# Altium PCB mchf_pro_ui.PcbDoc (part 4 of 5) (continued)
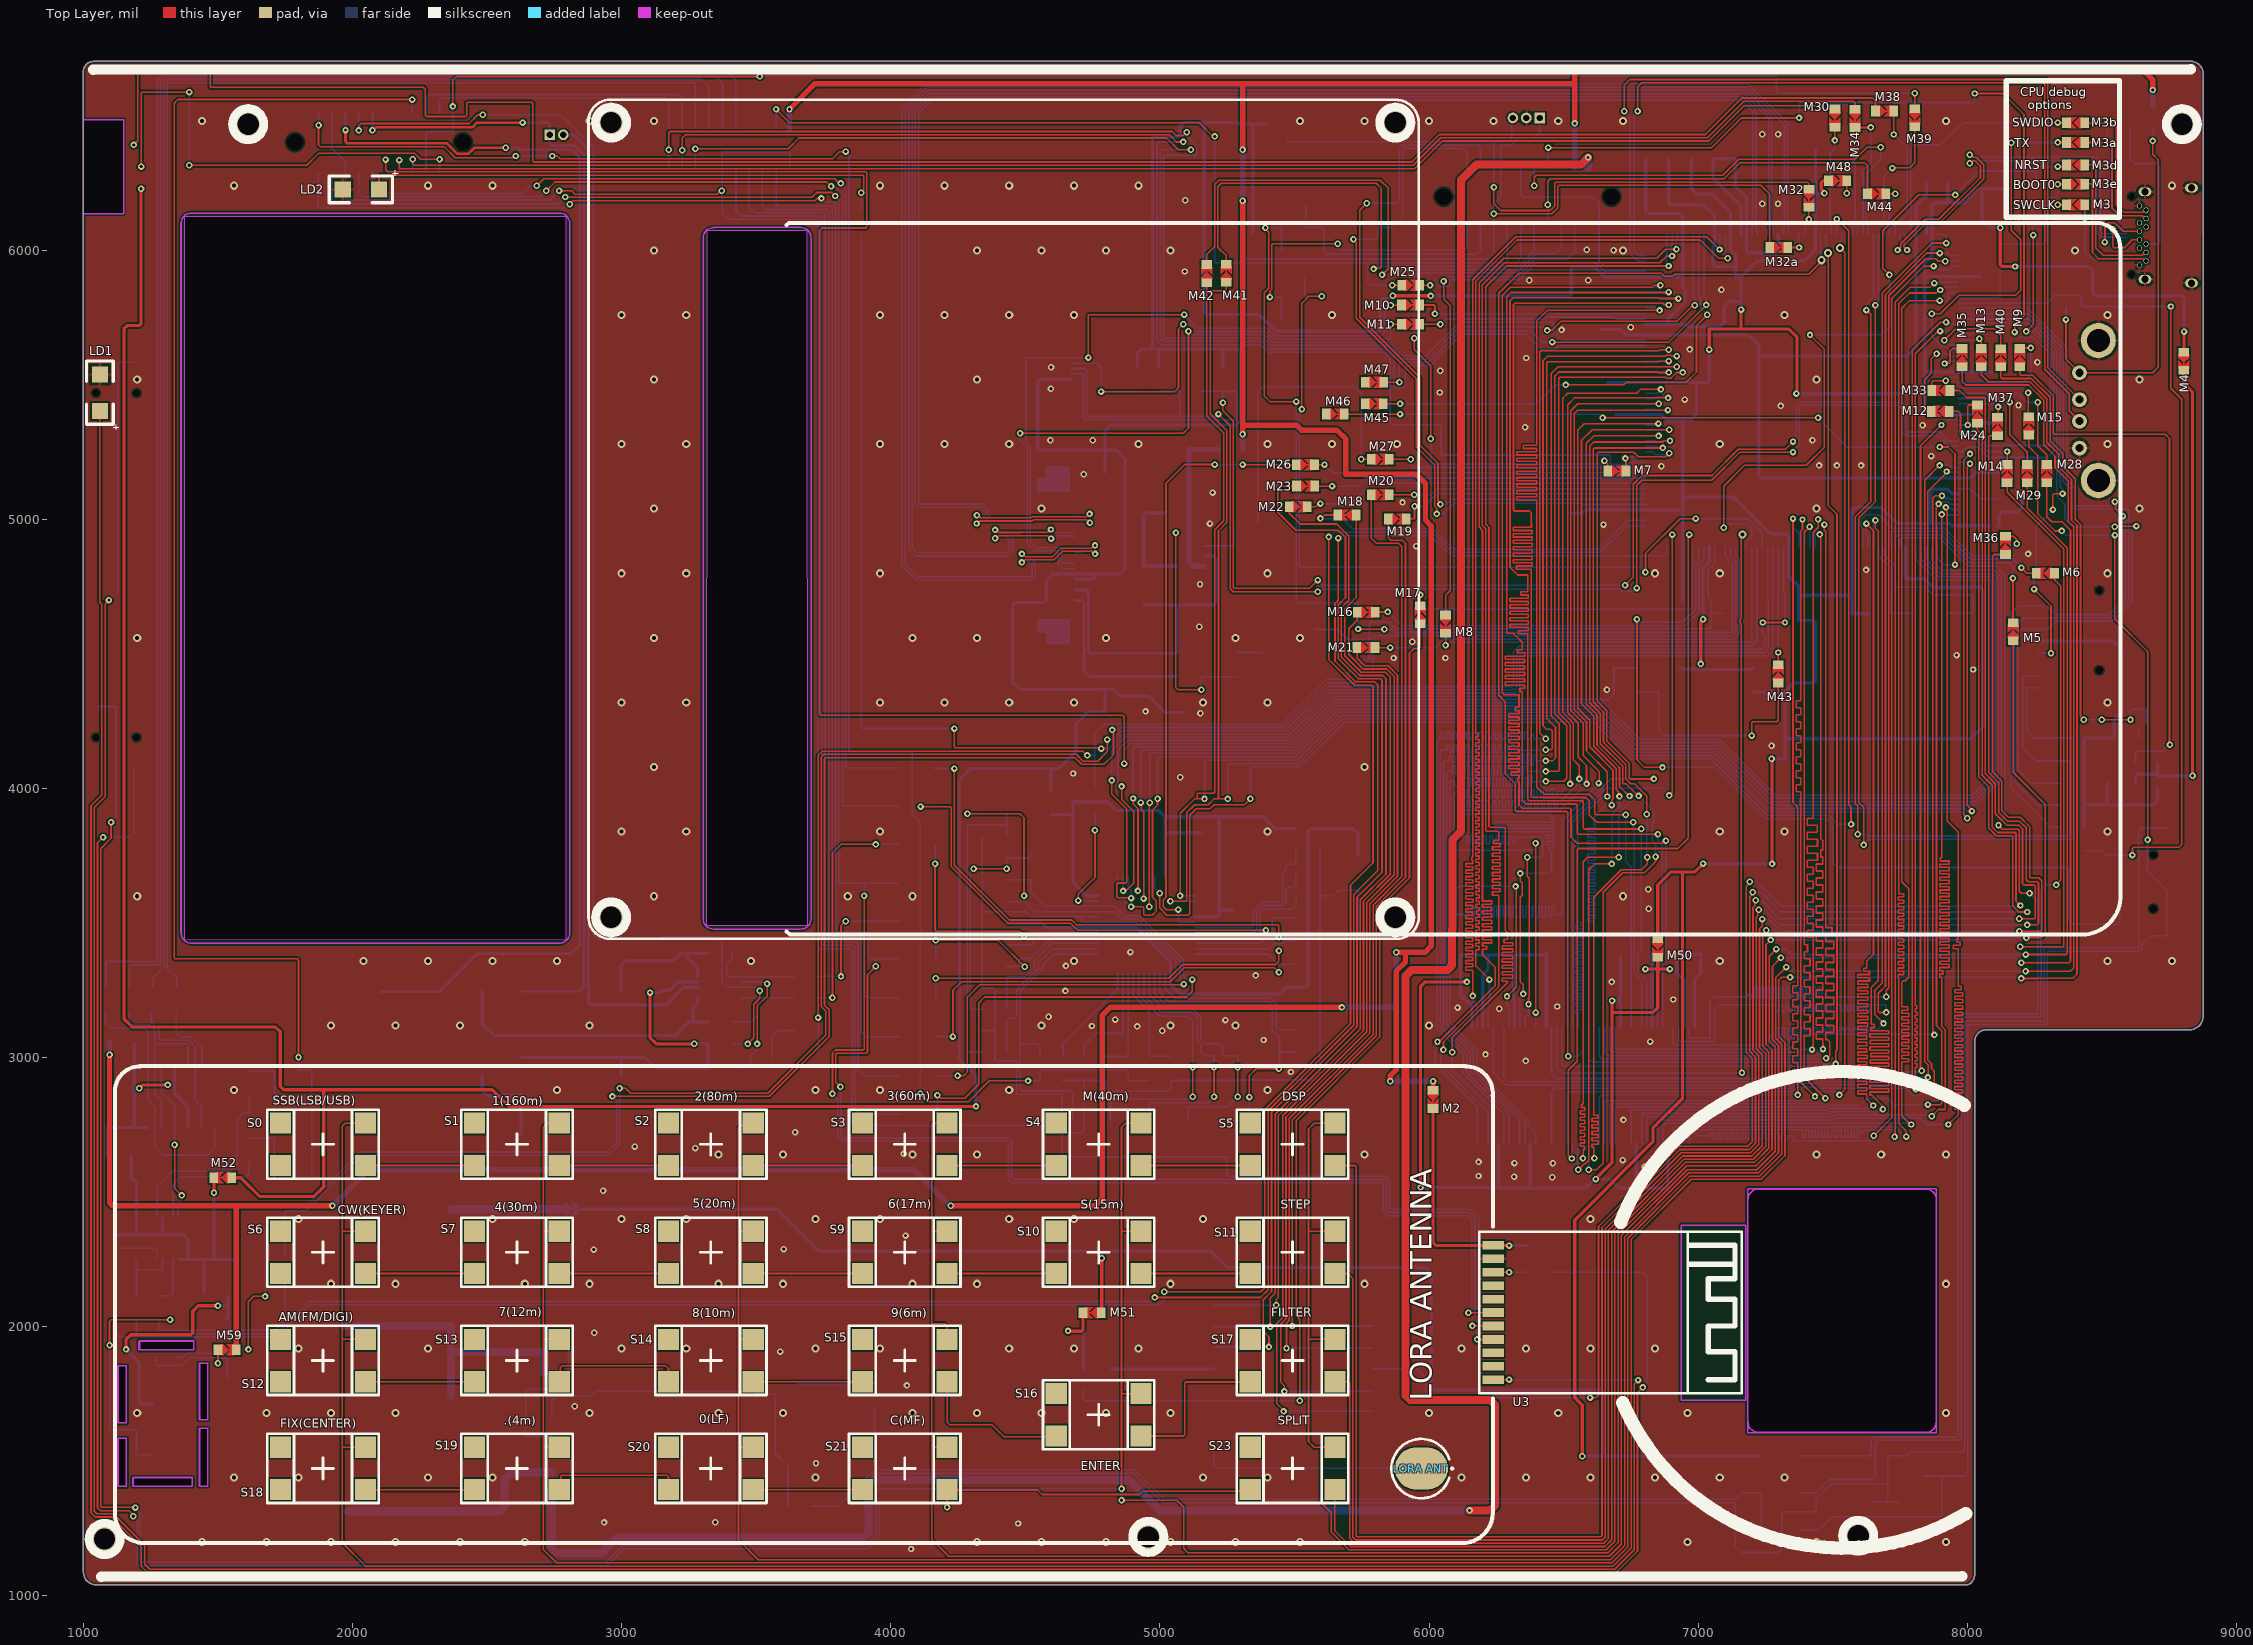
[diagram p0: Top Layer view]
## Nets (pads, with @x,y where several pads share a name; then routed paths per layer and width w, separated by ;. In a path a pad name is that pad's centre, name@x,y a point inside that pad or via, vN(x,y) a via of type N, cw(c..) or ccw(c..) an arc to the next point about the centre after c; other vN are vias at no path point) (continued)
NetC62_1: C62.1 M59.1 U14.1 | length 446.5
  Top Layer w6: v1(1499.98,1865.15) M59.1@1499.98,1915.07
  Bottom Layer w6: U14.1@1269.24,1885.57 1269.24,1860.02 1272.75,1856.51 1367.15,1856.51 1396.27,1885.62 1499.98,1885.62 ; v1(1499.98,1865.15) 1499.98,1885.81 1530.22,1885.81 1533.73,1882.3 C62.1@1533.73,1811.38
NetCC7_2: CC7.2 U1.7 | length 617
  Bottom Layer w6: U1.7@5131.57,3483.98 5342.74,3483.98 5346.26,3487.49 5346.26,3541.44 5382.19,3577.37 5451.37,3577.37 5456.4,3582.4 5456.4,3687.61 5467.34,3698.54 5467.34,3710.28 5476.45,3719.39 5497.1,3719.39 5504.87,3727.16 CC7.2@5504.87,3770.01
NetCC8_2: CC8.2 U1.8 | length 555.6
  Bottom Layer w6: U1.8@5131.57,3464.29 5346.26,3464.29 5359.45,3477.49 5359.45,3537.66 5387.16,3565.37 5458.68,3565.37 5468.4,3575.09 5468.4,3626.22 5474.8,3632.61 5495.2,3632.61 5505.27,3642.68 CC8.2@5505.27,3685.49
NetCC14_2: CC14.2 CC14E.1 CC30.2 RFC1.2 U1.14 U1.30 | length 2137.8
  Bottom Layer w12: CC30.2@4431.89,3499.2 4561.97,3499.2 4577.2,3483.98 4911.34,3483.98 5039.05,3356.26 5039.05,3272.48 5074.6,3236.93 5444.15,3236.93 5468.82,3261.6 CC14.2@5504.85,3261.62 5504.93,3261.49 5543.32,3261.49 5549.45,3267.62 5549.45,3841.52 5557.82,3849.89 RFC1.2@5594.13,3849.89 5718.56,3849.89 5736.4,3832.05 CC14E.1@5736.4,3753.99
NetCC15_2: CC15.2 U1.15 | length 572.1
  Bottom Layer w6: U1.15@5019.37,3312.72 5019.37,3255.92 5054.73,3220.56 5410.06,3220.56 5448.35,3182.27 CC15.2@5504.13,3182.27
NetCC16_2: CC16.2 U1.16 | length 671.4
  Bottom Layer w6: U1.16@4999.68,3312.72 4999.68,3243.17 5034.66,3208.19 5405.45,3208.19 5431.25,3182.4 5431.25,3114.61 5441.97,3103.89 CC16.2@5504.13,3103.89
NetCC17_2: CC17.2 CC17E.1 U1.17 | length 1198.7
  Top Layer w6: v1(5332.55,2853.56) 5332.55,2933.93 5357.58,2958.96 v1(5441.97,2958.96)
  Bottom Layer w6: U1.17@4980,3312.72 4980,3239.02 5022.82,3196.19 5397.48,3196.19 5417.54,3176.13 5417.54,3100.65 5444.15,3074.04 5444.15,3024.93 ; CC17E.1@5247.7,2765.89 5329.04,2765.89 5332.55,2769.4 v1(5332.55,2853.56) ; v1(5441.97,2958.96) 5444.15,2961.15 5444.15,3024.93 ; CC17.2@5504.42,3021.41 5447.66,3021.41 5444.15,3024.93
NetCC18_1: CC18.1 CC18E.1 U1.18 | length 967.7
  Top Layer w6: v1(5289.51,2854.69) v1(5289.51,2963.89)
  Bottom Layer w6: U1.18@4960.31,3312.72 4960.31,3235.7 5011.82,3184.19 5120.4,3184.19 5152.14,3152.45 5152.14,3069.26 5168.76,3052.64 5218.04,3052.64 5232.41,3038.26 5232.41,3014.68 5239.95,3007.14 CC18.1@5289.51,3007.14 v1(5289.51,2963.89) ; CC18E.1@5102.66,2765.89 5102.66,2814.01 5106.17,2817.53 5252.34,2817.53 v1(5289.51,2854.69)
NetCC19_2: CC19.2 CC19E.1 U1.19 | length 966
  Top Layer w6: v1(5200.91,2963.89) 5200.96,2963.84 v1(5201.01,2854.69) v1(5201.01,2854.69)
  Bottom Layer w6: U1.19@4940.63,3312.72 4940.63,3232.38 5003.14,3169.87 5117.76,3169.87 5140.14,3147.48 5140.14,3064.17 5153.03,3051.29 5153.03,3017.72 5163.71,3007.03 CC19.2@5200.91,3007.03 v1(5200.91,2963.89) ; CC19E.1@4960.31,2765.89 4960.31,2823.38 4969.98,2833.04 5179.35,2833.04 v1(5201.01,2854.69)
NetCC20_1: CC20.1 CC20E.1 U1.20 | length 987.9
  Top Layer w6: v1(5121.53,2854.69) v1(5121.53,2963.89)
  Bottom Layer w6: CC20E.1@4815.13,2765.89 4816.33,2767.09 4816.33,2840.74 4821.54,2845.95 5109.01,2845.95 5117.76,2854.69 v1(5121.53,2854.69) ; U1.20@4920.94,3312.72 4920.94,3232.71 4999.44,3154.21 5102.62,3154.21 5121.53,3135.3 CC20.1@5121.53,3005.27 v1(5121.53,2963.89)
NetCC23_2: CC23.2 U1.23 | length 423
  Bottom Layer w6: CC23.2@4718.3,3005.27 4718.3,3046.15 4762.67,3090.51 4858.37,3090.51 4861.89,3094.03 U1.23@4861.89,3312.72
NetCC24_2: CC24.2 U1.24 | length 391.4
  Bottom Layer w6: CC24.2@4639.73,3005.21 4639.73,3052.33 4842.2,3254.81 U1.24@4842.2,3312.72
NetCC25_1: CC25.1 R2.2 U1.25 | length 1138.8
  Bottom Layer w6: R2.2@4554.3,3005.27 4554.3,3044.99 4547.91,3051.39 4480.55,3051.39 ; CC25.1@4676.52,2765.89 4676.52,2866.48 4666.78,2876.23 4484.07,2876.23 4480.55,2879.74 4480.55,3051.39 ; U1.25@4769.37,3385.55 4606.87,3385.55 4566.13,3344.82 4566.13,3333.9 4480.55,3248.32 4480.55,3051.39
NetCC26_1: CC26.1 CC26a.2 U1.26 | length 636.9
  Bottom Layer w6: CC26a.2@4431.89,3021.17 4430.34,3022.72 CC26.1@4430.34,3100.01 4430.34,3138.34 4440.96,3148.96 4463.12,3148.96 4468.39,3154.24 4468.39,3253.13 4499.71,3284.45 4548.09,3332.83 4548.09,3352.63 4600.7,3405.24 U1.26@4769.37,3405.24
NetCC26a_1: CC26a.1 R3.2 R5.1 | length 1128.7
  Bottom Layer w6: CC26a.1@4341.89,3021.17 4288.21,3021.17 4283.49,3025.89 4283.49,3859.8 4288.21,3864.51 4426.66,3864.51 4430.18,3861 ; R5.1@4430.18,3821.71 4430.18,3861 ; R3.2@4431.57,3905.49 4430.18,3904.1 4430.18,3861
NetCC27_1: CC27.1 CC27a.2 U1.27 | length 524.2
  Bottom Layer w6: CC27a.2@4431.89,3180.46 4430.18,3182.18 CC27.1@4430.18,3259.05 4430.18,3296.5 4433.69,3300.01 4498.3,3300.01 4532.27,3333.98 4532.27,3359.63 4597.56,3424.92 4604.58,3424.92 U1.27@4769.37,3424.92
NetCC27a_1: CC27a.1 R4.2 R6.1 | length 828.1
  Top Layer w6: v1(4307.37,3702.13) v1(4430.18,3702.13)
  Bottom Layer w6: v1(4307.37,3702.13) 4307.37,3700.24 4295.49,3688.35 4295.49,3183.98 4299.01,3180.46 CC27a.1@4341.89,3180.46 ; v1(4430.18,3702.13) R6.1@4430.18,3742.04 4509.88,3742.04 R4.2@4519.59,3751.75 R4.2@4520.34,3750.99
NetCP89_2: CP89.2 CP152.2 CP199.2 U5.89 U5.152 U5.199 | length 3226.9
  Bottom Layer w12: CP89.2@6635.47,5705.29 6711.58,5705.29 6731.26,5685.61 U5.89@6805.08,5685.61 7186.13,5685.61 7224.55,5647.19 7224.55,5606.87 ; CP152.2@7847.95,6250.96 7847.95,6202.8 7809.02,6163.88 U5.152@7809.02,6059.62 7809.02,5639.77 7776.12,5606.87 7224.55,5606.87 ; CP199.2@8115.66,5174.02 8029.94,5174.02 8010.04,5154.11 U5.199@7966.5,5154.11 7231.58,5154.11 7224.55,5161.14 7224.55,5606.87
NetCP119_1: CP119.1 CP119E.1 U5.119 U5.120 U5.126 | length 949
  Bottom Layer w12: U5.119@7159.42,6059.62 7159.42,6164.55 7055.41,6268.56 CP119E.1@7055.41,6339.04 7056.26,6339.89 CP119.1@7137.28,6339.89 7137.28,6238.7 7179.1,6196.88 U5.120@7179.1,6059.62 7179.1,5998.24 7186.13,5991.21 7290.18,5991.21 7297.21,5998.24 U5.126@7297.21,6059.62
NetCP140_1: CP140.1 M48.2 U5.140 U5.141 | length 445.7
  Top Layer w6: v1(7551.56,6211.95) M48.2@7551.56,6258.47
  Bottom Layer w6: v1(7551.56,6211.95) 7582.42,6211.95 ; U5.140@7572.8,6059.62 7572.8,6088.27 7576.32,6091.78 7582.42,6091.78 ; CP140.1@7577.08,6378.31 7577.08,6328.6 7582.42,6323.26 7582.42,6211.95 ; U5.141@7592.49,6059.62 7592.49,6087.82 7588.52,6091.78 7582.42,6091.78 ; 7582.42,6091.78 7582.42,6211.95
NetD6_2: D6.2 D7.2 U5.8 | length 4745
  Top Layer w6: v1(8115.77,3863.36) 8130.12,3849.01 8189.44,3849.01 8192.96,3845.49 8192.96,3618.66 8200.52,3611.09 v1(8231.33,3611.09)
  Bottom Layer w6: D6.2@7375.31,1519.68 7376.3,1520.67 D7.2@7559.72,1520.67 7639.44,1520.67 7642.96,1524.18 7642.96,1578.6 7654.9,1590.55 7962.53,1590.55 7966.05,1594.07 7966.05,3158.09 7970.26,3162.3 8257.99,3162.3 8261.5,3165.82 8261.5,3581.87 8232.28,3611.09 v1(8231.33,3611.09) ; U5.8@7749.97,4898.21 7749.97,4927.98 7753.48,4931.5 7896.73,4931.5 8001.29,4826.93 8107.02,4826.93 8138.53,4795.42 8138.53,3895.42 8115.77,3872.66 v1(8115.77,3863.36)
NetD8_2: D8.2 L1.1 U6.2 | length 878.2
  Bottom Layer w30: D8.2@1981.08,1315.59 1981.73,1314.94 2547.39,1314.94 2564.96,1332.51 2564.96,1433.07 2591.64,1459.75 U6.2@2740.14,1459.75
NetD11_1: D11.1 RFC6.2 U7.1 | length 392.1
  Bottom Layer w15: RFC6.2@5017.72,5024.37 4947.61,5024.37 4938.83,5015.58 D11.1@4938.83,4826.51 U7.1@5059.3,4826.51
NetJ4_A5: J4.A5 R22.2 | length 408.5
  Bottom Layer w6: R22.2@8520.7,6448.56 8520.7,6386.99 8529.38,6378.31 8529.38,6166.54 8561.79,6134.13 8561.79,6087.96 8565.31,6084.45 J4.A5@8591.18,6084.45
NetJ4_A11: J4.A11 M3.1 | length 341.7
  Top Layer w6: v1(8436.12,6119.95) M3.1@8436.11,6169.58
  Bottom Layer w6: v1@8436.02,6120.08 8436.02,5995.1 8464.78,5966.34 J4.A11@8591.18,5966.34
NetJ4_B2: J4.B2 M3e.2 | length 492.3
  Top Layer w6: M3e.2@8437.61,6246.77 8461.11,6246.77 8464.9,6242.98 8464.9,5991.94 8487.7,5969.13 8651.81,5969.13 8660.51,5960.44 J4.B2@8664.21,5960.44
NetJ4_B3: J4.B3 M3d.1 | length 550.5
  Top Layer w6: M3d.1@8436.11,6317.26 8473.39,6317.26 8476.9,6313.75 8476.9,6008.78 8504.55,5981.13 8649.71,5981.13 8660.51,5991.94 J4.B3@8664.21,5991.94
NetJ4_B5: J4.B5 R23.1 | length 570.7
  Bottom Layer w6: R23.1@8606.22,6448.25 R23.1@8605.16,6449.31 8605.16,6339.19 8621.74,6322.61 8705.71,6322.61 8715.55,6312.76 8715.55,6028.52 8710.47,6023.43 J4.B5@8664.21,6023.43
NetJ4_B10: J4.B10 M3a.1 | length 486.3
  Top Layer w6: M3a.1@8436.11,6400.77 8533.89,6400.77 8537.4,6397.26 8537.4,6156.51 8565.17,6128.75 8649.68,6128.75 8660.51,6117.92 J4.B10@8664.21,6117.92
NetJ4_B11: J4.B11 M3b.1 | length 538.2
  Top Layer w6: M3b.1@8436.11,6474.41 8437.86,6472.66 8537.4,6472.66 8553.15,6456.91 8553.15,6169.58 8581.98,6140.75 8651.83,6140.75 8660.49,6149.41 J4.B11@8664.19,6149.41
NetLD1_1: LD1.1 R19.2 | length 11427.3
  Top Layer w6: LD1.1@1061.02,5403.54 1061.02,4692.75 1068.84,4684.93 1068.84,3976.54 1028.2,3935.9 1028.2,1309.11 1044.03,1293.28 1105.61,1293.28 1215.55,1183.34 1215.55,1109.76 1238.19,1087.12 6694.38,1087.12 6774.57,1167.31 6774.57,1755.63 v1(6793.75,1774.81)
  Bottom Layer w6: R19.2@6452.96,2203.09 6793.96,2203.09 6810.04,2187.01 6810.04,1791.1 v1(6793.75,1774.81)
NetLD2_1: LD2.1 R30.2 | length 1984.3
  Top Layer w6: LD2.1@2098.43,6226.38 2098.43,6273.22 2104.55,6279.34 3895.62,6279.34 3899.14,6275.82 3899.14,6226.1 3889.76,6216.72 v1(3889.76,6213.58)
  Bottom Layer w6: R30.2@3889.76,6146.96 v1(3889.76,6213.58)
"NetLora Ant_1": "LORA ANT.1" U10.9 | length 740.4
  Bottom Layer w6: U10.9@5200.32,1528.54 5199.8,1528.02 5199.8,1478.91 5204.65,1474.07 v1(5888.34,1474.07)
NetM60_2: M60.2 U14.2 | length 774.3
  Top Layer w6: v1(1612.99,1916.14) 1612.99,2093.31 1632.87,2113.19 v1(1675.2,2113.19)
  Bottom Layer w6: U14.2@1346.4,1885.57 1346.83,1885.99 1367.64,1885.99 1383.16,1901.51 1532.46,1901.51 1547.09,1916.14 v1(1612.99,1916.14) ; M60.2@1673.23,2359.8 1675.2,2357.83 v1(1675.2,2113.19)
NetP0_2: P0.2 U2.8 | length 3722.4
  Bottom Layer w12: P0.2@2783.13,6429.01 2821.64,6429.01 2877.24,6373.41 2877.24,5916.37 2877.24,3203.39 2884.27,3196.36 3165.65,3196.36 3231.1,3261.81 U2.8@3282.48,3261.81
NetQ1_1: Q1.1 R8.1 | length 168.5
  Bottom Layer w6: Q1.1@3559.05,3000.74 3559.05,3079.72 3580.24,3100.91 R8.1@3639.76,3100.91
NetQ1_3: Q1.3 R9.2 U2.2 | length 508.5
  Top Layer w6: v1(3503.18,3051.39) 3503.18,3191.83 3540.42,3229.06 3540.42,3274.54 v1(3540.35,3274.61)
  Bottom Layer w6: R9.2@3410.43,2962.15 Q1.3@3480.31,2962.15 3480.31,3006.89 3503.18,3029.76 v1(3503.18,3051.39) ; U2.2@3441.93,3281.5 3528.59,3281.5 3535.48,3274.61 v1(3540.35,3274.61)
NetR1_2: R1.2 U1.35 | length 422.8
  Top Layer w6: v1(4696.48,3583.69) 4696.48,3608.09 4758.62,3670.23 v1(4758.62,3845.51)
  Bottom Layer w6: v1(4696.48,3583.69) 4768.08,3583.69 U1.35@4769.37,3582.4 ; R1.2@4757.64,3906.89 4758.62,3905.92 v1(4758.62,3845.51)
NetR11_1: R11.1 R13.2 U2.1 | length 350.3
  Bottom Layer w6: R13.2@3410.43,3388.47 3410.43,3357.75 3406.92,3354.23 3395.06,3354.23 3389.76,3348.93 3389.76,3305.44 3394.03,3301.18 U2.1@3441.93,3301.18 3503.18,3301.18 R11.1@3639.76,3301.18
NetR12_1: R12.1 R14.2 U2.5 | length 367.5
  Bottom Layer w6: R14.2@3410.43,3133.22 3482.17,3133.22 3503.18,3154.24 3503.18,3222.44 ; U2.5@3441.93,3222.44 3503.18,3222.44 ; R12.1@3639.76,3222.44 3503.18,3222.44
NetR19_1: R19.1 U3.3 | length 124.8
  Top Layer w6: U3.3@6238.19,2203.15 U3.3@6238.19,2203.15 v1(6297.49,2203.09)
  Bottom Layer w6: v1(6297.49,2203.09) R19.1@6362.96,2203.09
NetR33_2: R33.2 U5.201 | length 161.3
  Bottom Layer w6: U5.201@7966.5,5114.74 7967.16,5114.08 8010.69,5114.08 8047.77,5077 R33.2@8112.16,5077
NetR42_2: R42.2 R43.2 U7.4 | length 189.2
  Bottom Layer w6: U7.4@5165.6,4901.31 R43.2@5273.85,4901.31 R42.2@5273.85,4982.28
NetR44_2: R44.2 R45.1 U7.3 | length 908.3
  Top Layer w6: v1(5059.3,4950.98) 5059.3,4375.56 5067.74,4367.13 v1(5154.18,4367.13)
  Bottom Layer w6: U7.3@5059.3,4901.31 v1(5059.3,4950.98) ; R45.1@5153.56,4416.34 R45.1@5154.18,4415.72 ; v1(5154.18,4367.13) R45.1@5154.18,4415.72 ; R44.2@5289.51,4415.72 R45.1@5154.18,4415.72
NetR50_1: R50.1 U11.2 | length 189.7
  Bottom Layer w6: R50.1@1277.8,2115.75 1329.58,2115.75 1333.09,2119.26 U11.2@1333.09,2252.19
NetR51_1: R51.1 R53.1 U11.4 | length 272.7
  Bottom Layer w6: R51.1@1197.33,2116.6 1197.33,2210.58 ; R53.1@1197.55,2253.23 1197.33,2253 1197.33,2210.58 ; U11.4@1293.72,2252.19 1293.72,2214.1 1290.21,2210.58 1197.33,2210.58
NetR52_1: R52.1 R54.1 U11.5 | length 371.8
  Bottom Layer w6: R52.1@1113.64,2114.6 1113.86,2114.82 R54.1@1113.86,2252.17 1115.86,2254.17 1115.86,2288.31 1119.38,2291.82 1270.52,2291.82 1274.04,2288.31 U11.5@1274.04,2252.19
NetR59_1: R59.1 U5.35 | length 7744.9
  Top Layer w6: v1(2992.13,2886.81) 3014.76,2886.81 3033.28,2868.3 3542.76,2868.3 3758.79,3084.33 3758.79,3173.3 3741.76,3190.32 3741.76,4117.61 3751.18,4127.03 4689.35,4127.03 4714.34,4102.03 4768.57,4102.03 4804.64,4138.1 v1(4804.64,4181.86)
  Bottom Layer w6: R59.1@1748.03,2266.18 1748.03,2423.23 1755.91,2431.1 1827.17,2431.1 2033.56,2637.49 2952.22,2637.49 2993.29,2678.55 2993.29,2885.65 v1(2992.13,2886.81) ; v1(4804.64,4181.86) 4827.77,4181.86 4860.83,4214.92 5463.78,4214.92 5628.11,4379.25 6309.73,4379.25 6313.24,4382.76 6313.24,4507.64 6336.69,4531.09 7200.24,4531.09 7218.47,4549.32 U5.35@7218.47,4898.21
NetS0_4: S0.4 S1.2 | length 405.7
  Top Layer w6: S0.4@2047.64,2599.37 S1.2@2453.35,2599.37
NetS1_4: S1.4 S2.2 | length 405.5
  Top Layer w6: S1.4@2768.31,2599.37 S2.2@3173.82,2599.37
NetS2_4: S2.4 S3.2 | length 405.5
  Top Layer w6: S2.4@3488.78,2599.37 S3.2@3894.29,2599.37
NetS3_4: S3.4 S4.2 | length 405.5
  Top Layer w6: S3.4@4209.25,2599.37 S4.2@4614.76,2599.37
NetS4_4: S4.4 S5.2 | length 405.5
  Top Layer w6: S4.4@4929.72,2599.37 S5.2@5335.24,2599.37
NetS6_4: S6.4 S7.2 | length 405.7
  Top Layer w6: S6.4@2047.64,2198.03 S7.2@2453.35,2198.03
NetS7_4: S7.4 S8.2 | length 405.5
  Top Layer w6: S7.4@2768.31,2198.03 S8.2@3173.82,2198.03
NetS8_4: S8.4 S9.2 | length 405.5
  Top Layer w6: S8.4@3488.78,2198.03 S9.2@3894.29,2198.03
NetS9_4: S9.4 S10.2 | length 405.5
  Top Layer w6: S9.4@4209.25,2198.03 S10.2@4614.76,2198.03
NetS10_4: S10.4 S11.2 | length 405.5
  Top Layer w6: S10.4@4929.72,2198.03 S11.2@5335.24,2198.03
NetS12_4: S12.4 S13.2 | length 405.7
  Top Layer w6: S12.4@2047.64,1796.06 S13.2@2453.35,1796.06
NetS13_4: S13.4 S14.2 | length 512.8
  Top Layer w6: S13.4@2768.31,1796.06 2772,1799.76 2772,1849 2779,1856 3163,1856 3173.82,1845.18 S14.2@3173.82,1796.06
NetS14_4: S14.4 S15.2 | length 405.5
  Top Layer w6: S14.4@3488.78,1796.06 S15.2@3894.29,1796.06
NetS15_4: S15.4 S16.2 | length 569.8
  Top Layer w6: S15.4@4209.25,1796.06 4209.25,1645.75 4218.09,1636.91 4375.09,1636.91 4420.46,1591.54 S16.2@4606.3,1591.54
NetS16_4: S16.4 S17.2 | length 602.5
  Top Layer w6: S16.4@4929.72,1594.49 5088.45,1594.49 5091.96,1598 5091.96,1791.76 5095.48,1795.28 5334.45,1795.28 S17.2@5335.24,1796.06
NetS18_4: S18.4 S19.2 | length 405.7
  Top Layer w6: S18.4@2047.64,1395.08 S19.2@2453.35,1395.08
NetS19_4: S19.4 S20.2 | length 503.1
  Top Layer w6: S19.4@2768.31,1395.08 2774,1400.77 2774,1444.49 2777.51,1448 3169,1448 3173.82,1443.18 S20.2@3173.82,1395.08
NetS20_4: S20.4 S21.2 | length 405.5
  Top Layer w6: S20.4@3488.78,1395.08 S21.2@3894.29,1395.08
NetS21_4: S21.4 S22.4 S23.2 | length 7592.1
  Top Layer w6: v1(1073.19,3819.35) 1052.2,3798.36 1052.2,1327.36 1062.24,1317.32 1168.12,1317.32 1185.44,1299.99 v1(1185.44,1296.26) ; v1(4209.25,1329.72) S21.4@4209.25,1395.08 4210.57,1393.76 4545.47,1393.76 4562.13,1377.1 4924.17,1377.1 4936.83,1389.76 5329.92,1389.76 S23.2@5335.24,1395.08
  Bottom Layer w6: v1(1073.19,3819.35) 1171.41,3819.35 1187.05,3834.99 S22.4@1187.05,4075.16 ; v1(1185.44,1296.26) 1199.36,1282.33 1199.36,1116.18 1202.88,1112.66 2945.58,1112.66 3008.09,1175.17 3916.86,1175.17 3957.38,1215.69 3957.38,1343.53 3960.89,1347.04 4191.94,1347.04 v1(4209.25,1329.72)
NetU11_10: U11.10 U12.3 U12.11 | length 590
  Top Layer w6: v1(1338.72,2676.18) 1338.72,2514.48 v1(1365.01,2488.19)
  Bottom Layer w6: U12.3@1288.72,2960.46 1288.72,2872.98 1338.72,2822.98 U12.11@1338.72,2740.46 1333.31,2735.05 1338.72,2729.65 v1(1338.72,2676.18) ; U11.10@1352.78,2411.64 1352.78,2460.21 1365.01,2472.45 v1(1365.01,2488.19)
NRST: M3d.2 R32.2 U5.37 | length 2758.7
  Top Layer w6: v1(7094.83,4968.74) 7094.83,5123.44 7172.32,5200.93 7401.42,5200.93 7468.95,5268.46 7468.95,5631.98 v1(7415.32,5685.61) ; v1(7710.6,5909.18) 7686.02,5933.75 7686.02,6073.08 7818.96,6206.01 v1(7955.11,6206.01) ; v1(8335.63,6310.97) 8362.31,6310.97 M3d.2@8368.61,6317.26
  Bottom Layer w6: v1(7094.83,4968.74) 7109.53,4983.44 7182.84,4983.44 7198.79,4967.5 7198.79,4935.01 7195.27,4931.5 7193.28,4931.5 7179.1,4917.32 U5.37@7179.1,4898.21 ; v1(7415.32,5685.61) 7681.68,5685.61 7710.6,5714.52 v1(7710.6,5909.18) v1@7710.6,5914.95 ; v1(7955.11,6206.01) 8043.83,6294.73 8255.95,6294.73 ; R32.2@8248.41,6228.16 8255.95,6235.71 8255.95,6294.73 ; v1(8335.63,6310.97) 8272.19,6310.97 8255.95,6294.73
OTG_HS_DM: J5.3 U5.103 | length 3523.8
  Top Layer w6: v1(6725.39,6516.89) 6725.39,6614.55 6745.69,6634.85 8295.82,6634.85 8299.34,6631.33 8299.34,5563.1 8416.94,5445.5 J5.3@8416.94,5445.05
  Bottom Layer w6: v1(6725.39,6516.89) 6747.65,6494.63 6747.65,5986.76 6773.21,5961.2 U5.103@6805.08,5961.2
OTG_HS_DP: J5.2 U5.104 | length 3495.8
  Top Layer w6: v1(6774.83,6516.89) 6774.83,6607.38 6790.29,6622.85 8283.82,6622.85 8287.34,6619.33 8287.34,5558.13 8378.65,5466.83 8378.65,5403.35 J5.2@8416.94,5365.05
  Bottom Layer w6: v1(6774.83,6516.89) 6774.83,6513.04 6761.91,6500.12 6761.91,5993.8 6774.83,5980.88 U5.104@6805.08,5980.88
PA0: M16.2 U5.45 | length 1494.1
  Top Layer w6: M16.2@5800.48,4655.51 5801.25,4656.28 v1(5846.87,4656.28)
  Bottom Layer w6: v1(5846.87,4656.28) 5897.5,4605.65 6951.86,4605.65 7003,4656.79 7003,4831.26 7021.62,4849.88 U5.45@7021.62,4898.21
PA2: M17.2 U5.47 | length 1319.5
  Top Layer w6: M17.2@5966.54,4680.25 M17.2@5967.52,4679.26 ; M17.2@5967.52,4691.26 v1(5967.52,4719.49)
  Bottom Layer w6: v1(5967.52,4719.49) 5967.52,4675.47 5977.18,4665.81 6973.2,4665.81 6979,4671.61 6979,4841.2 6982.25,4844.45 U5.47@6982.25,4898.21
PA3: M18.2 U5.54 | length 1370.3
  Top Layer w6: v1(5596.46,5003.92) 5597.88,5005.34 5600,5005.34 5611.39,5016.73 M18.2@5661.37,5016.73
  Bottom Layer w6: v1(5596.46,5003.92) 5598.41,5001.97 5679.43,5001.97 5716.51,4964.89 6015.3,4964.89 6090.37,4889.82 6631.05,4889.82 6737.86,4996.63 U5.54@6805.08,4996.63
PA6: M19.2 U5.59 | length 951.8
  Top Layer w6: M19.2@5927.35,5001.97 5944.88,5001.97 5946.03,5003.12 v1(5946.03,5049.31) 5953.06,5049.31 v1@5954.05,5048.31
  Bottom Layer w6: v1(5946.03,5049.31) 5983.31,5049.31 6029.05,5095.06 U5.59@6805.08,5095.06
PA7: M20.2 U5.60 | length 970.8
  Top Layer w6: M20.2@5852.6,5091.87 v1(5944.88,5091.87) v1@5953.75,5091.87
  Bottom Layer w6: v1(5944.88,5091.87) 6007.02,5091.87 6029.89,5114.74 U5.60@6805.08,5114.74
PA8: M39.2 U5.146 | length 483.6
  Top Layer w6: v1(7720.61,6305.65) 7722.22,6307.26 7786.28,6307.26 7804.93,6325.91 M39.2@7804.93,6458.5
  Bottom Layer w6: U5.146@7690.91,6059.62 7690.91,6275.95 v1(7720.61,6305.65)
PA9: M44.2 U5.147 | length 194.9
  Top Layer w6: M44.2@7696.77,6210.3 M44.2@7696.65,6210.41 7696.74,6210.5 v1(7731.76,6210.5)
  Bottom Layer w6: U5.147@7710.6,6059.62 7710.6,6189.33 v1(7731.76,6210.5)
PA10: M38.2 U5.148 | length 497.3
  Top Layer w6: M38.2@7726.33,6517.36 7726.49,6517.2 v1(7726.49,6430.29)
  Bottom Layer w6: v1(7726.49,6430.29) 7776.12,6380.66 7776.12,6133.95 7730.28,6088.11 U5.148@7730.28,6059.62
PB0: M26.2 U5.63 | length 1243.1
  Top Layer w6: M26.2@5574.39,5203.66 v1(5611.39,5203.66)
  Bottom Layer w6: v1(5611.39,5203.66) 5641.26,5173.8 U5.63@6805.08,5173.8
PB1: M27.2 U5.64 | length 970.4
  Top Layer w6: M27.2@5864.6,5224.07 v1(5932.31,5224.07) v1@5931.28,5225.09
  Bottom Layer w6: v1(5932.31,5224.07) 5932.31,5198.04 5937.51,5192.83 6804.44,5192.83 U5.64@6805.08,5193.48
PB5: M14.2 U5.191 | length 254.2
  Top Layer w6: M14.2@8147.86,5204.12 v1(8147.86,5252.54)
  Bottom Layer w6: U5.191@7966.5,5311.59 7967.02,5311.08 8015.7,5311.08 8074.23,5252.54 v1(8147.86,5252.54)
PB12: M25.2 U5.101 | length 903
  Top Layer w6: M25.2@5966.06,5869.78 v1(6003.77,5869.78)
  Bottom Layer w6: v1(6003.77,5869.78) 6031.55,5869.78 6037.03,5864.3 6072.78,5864.3 6076.29,5867.81 6076.29,5886.63 6079.81,5890.14 6333.59,5890.14 6397.71,5954.26 6619.36,5954.26 6651.79,5921.83 U5.101@6805.08,5921.83
PC1: M21.2 U5.39 | length 1703.6
  Top Layer w6: M21.2@5799.18,4523.78 v1(5855.46,4523.78)
  Bottom Layer w6: v1(5855.46,4523.78) 6022.73,4523.78 6054.04,4555.09 7133.12,4555.09 7152.82,4574.8 7152.82,4852.91 7140.06,4865.67 7140.06,4897.88 U5.39@7139.73,4898.21
PC2: R31.1 U5.40 | length 1802.5
  Bottom Layer w6: R31.1@5791.34,4441.93 5791.34,4561.07 5798.13,4567.85 7128.91,4567.85 7139.73,4578.67 7139.73,4844.45 7120.05,4864.13 U5.40@7120.05,4898.21
PC4: M22.2 U5.61 | length 1299.5
  Top Layer w6: M22.2@5551.17,5051.15 M22.2@5547.26,5047.24 5580.02,5047.24 5591.59,5058.81 v1(5596.46,5058.81)
  Bottom Layer w6: v1(5596.46,5058.81) 5710.8,5058.81 5786.42,5134.43 U5.61@6805.08,5134.43
PC5: M23.2 U5.62 | length 1242.8
  Top Layer w6: M23.2@5574.76,5124.02 v1(5639.76,5124.02)
  Bottom Layer w6: v1(5639.76,5124.02) 5735.33,5124.02 5765.43,5154.11 6069.85,5154.11 U5.62@6805.08,5154.11
PC6: M34.2 U5.142 | length 467
  Top Layer w6: M34.2@7582.68,6456.41 v1(7640.96,6456.41)
  Bottom Layer w6: U5.142@7612.17,6059.62 7612.17,6295.88 7640.96,6324.67 v1(7640.96,6456.41)
PC13: M6.2 U5.10 | length 665.5
  Top Layer w6: v1(8200.96,4820.2) 8220.96,4800.2 M6.2@8256.55,4800.2
  Bottom Layer w6: U5.10@7710.6,4898.21 7710.6,4951.98 7714.11,4955.5 7909.92,4955.5 8012.9,4852.51 8168.64,4852.51 v1(8200.96,4820.2)
PD3: M13.2 U5.173 | length 107.3
  Top Layer w6: v1(8045.11,5671.82) 8045.11,5666.95 8051.83,5660.23 M13.2@8051.83,5635.1
  Bottom Layer w6: U5.173@7966.5,5665.92 8034.35,5665.92
PD4: M40.2 U5.174 | length 347.2
  Top Layer w6: v1(7914.58,5665.92) 7957.58,5708.92 8099.34,5708.92 8123.86,5684.4 M40.2@8123.86,5634.49
  Bottom Layer w6: v1(7914.58,5665.92) 7934.27,5646.24 U5.174@7966.5,5646.24
PD6: M12.2 U5.176 | length 340.6
  Top Layer w6: M12.2@7865.46,5401.57 7841.47,5401.57 7841.47,5518.96 7865.26,5542.75 7865.26,5594.99 v1(7885.84,5615.57)
  Bottom Layer w6: v1(7885.84,5615.57) 7925.18,5615.57 7933.88,5606.87 U5.176@7966.5,5606.87
PD7: M35.2 U5.177 | length 167.3
  Top Layer w6: v1(7915.41,5579.4) 7915.93,5579.93 7932.58,5579.93 7935.58,5582.92 7935.58,5625.18 7945.49,5635.1 M35.2@7980.54,5635.1
  Bottom Layer w6: v1(7915.41,5579.4) 7920.28,5579.4 7928.06,5587.18 U5.177@7966.5,5587.18
PD12: M45.2 U5.111 | length 1754.2
  Top Layer w6: M45.2@5830.01,5429.7 v1(5892.35,5429.7) ; v1(6507.71,5499.84) 6723.58,5499.84 6733.52,5509.78 6955.52,5509.78 6993.52,5547.78 6993.52,5719.78 v1(7033.92,5760.18)
  Bottom Layer w6: v1(5892.35,5429.7) 6399.22,5429.7 6469.36,5499.84 v1(6507.71,5499.84) ; U5.111@7001.93,6059.62 7001.94,5828.52 7008.72,5821.74 7008.72,5785.38 v1(7033.92,5760.18)
PD13: M47.2 U5.112 | length 1657.9
  Top Layer w6: M47.2@5830.99,5509.66 v1(5889.9,5509.66) ; v1(6457.56,5659.05) 6891.8,5659.05 v1(7029.72,5796.97)
  Bottom Layer w6: v1(5889.9,5509.66) 5889.9,5576.63 5897.63,5584.35 5999.51,5584.35 6116.41,5701.25 6378.04,5701.25 6420.23,5659.05 v1(6457.56,5659.05) ; U5.112@7021.62,6059.62 7021.62,5827.79 7029.72,5819.69 v1(7029.72,5796.97)
PE2: M46.2 U5.1 | length 2858.5
  Top Layer w6: M46.2@5685.04,5391.55 v1(5892.35,5391.55) ; v1(6644.52,5377.78) v1(7445.22,5377.78) ; v1(7897.28,5269.15) 7928.52,5269.15 7954.16,5243.51 v1(7954.16,4832.17)
  Bottom Layer w6: v1@5893.57,5390.33 6631.97,5390.33 v1(6644.52,5377.78) ; v1(7445.22,5377.78) 7554.29,5268.71 v1@7896.76,5268.71 ; U5.1@7887.76,4898.21 7887.76,4855.54 7911.14,4832.17 v1(7954.16,4832.17)
PF7: M43.2 U5.31 | length 438.3
  Top Layer w6: M43.2@7297.21,4459.9 v1(7297.21,4505.59)
  Bottom Layer w6: v1(7297.21,4505.59) U5.31@7297.21,4898.21
PG2: M32a.2 U5.130 | length 89.4
  Top Layer w6: M32a.2@7335.14,6010.38 v1(7374.75,6010.38)
  Bottom Layer w6: v1(7374.75,6010.38) 7375.35,6010.98 7375.35,6059.02 U5.130@7375.95,6059.62
PG3: M32.2 U5.131 | length 106.4
  Top Layer w6: v1(7411.31,6115.69) 7411.31,6159.34 M32.2@7411.42,6159.45
  Bottom Layer w6: U5.131@7395.64,6059.62 7395.64,6100.01 v1(7411.31,6115.69)
PG6: M30.2 U5.136 | length 407
  Top Layer w6: v1(7507.81,6408.21) M30.2@7507.81,6457.75
  Bottom Layer w6: U5.136@7494.06,6059.62 7494.06,6094.69 7490.17,6098.58 7490.17,6360.67 7507.81,6378.31 v1(7507.81,6408.21)
PG9: M33.2 U5.180 | length 137.2
  Top Layer w6: M33.2@7868.08,5479.05 7868.08,5510.48 7873.07,5515.47 v1(7919.85,5515.47)
  Bottom Layer w6: v1(7919.85,5515.47) 7920.39,5515.47 7933.05,5528.13 U5.180@7966.5,5528.13
PG10: M9.2 U5.181 | length 423.1
  Top Layer w6: M9.2@8195.06,5635.1 8197.09,5637.13 v1(8236.01,5637.13)
  Bottom Layer w6: U5.181@7967.16,5509.1 U5.181@7966.5,5508.44 8205.66,5508.44 8236.01,5538.79 v1(8236.01,5637.13)
PG11: M15.2 U5.182 | length 359.7
  Top Layer w6: v1(8225.87,5470.94) 8225.87,5394.1 8227.84,5392.13 M15.2@8227.84,5381.1
  Bottom Layer w6: U5.182@7966.5,5488.76 8212.03,5488.76 8225.87,5474.92 v1(8225.87,5470.94)
PG12: M28.2 U5.183 | length 554
  Top Layer w6: v1(8261.3,5435.51) 8261.3,5273.77 8294.86,5240.2 M28.2@8294.86,5204.12
  Bottom Layer w6: U5.183@7966.5,5469.07 8187.69,5469.07 8220.73,5436.02 8260.79,5436.02 v1(8261.3,5435.51)
PG13: M29.2 U5.184 | length 455.5
  Top Layer w6: v1(8157.48,5436.02) 8157.48,5315.32 8222.85,5249.95 M29.2@8222.85,5204.12
  Bottom Layer w6: U5.184@7966.5,5449.39 8144.12,5449.39 v1(8157.48,5436.02)
PG14: M37.2 U5.185 | length 192.4
  Top Layer w6: M37.2@8112.16,5379.09 8114.17,5381.1 v1(8114.17,5418.31)
  Bottom Layer w6: U5.185@7966.5,5429.7 8102.78,5429.7 v1(8114.17,5418.31)
PH1: M8.2 U5.36 | length 1527.4
  Top Layer w6: v1(6061.38,4532.73) M8.2@6061.38,4565.37
  Bottom Layer w6: v1(6061.38,4532.73) 6063.54,4532.73 6073.9,4543.09 7195.27,4543.09 7198.79,4546.61 U5.36@7198.79,4898.21
PH6: M11.2 U5.92 | length 854.6
  Top Layer w6: M11.2@5965.03,5724.98 5965.09,5724.92 v1(6042.06,5724.92)
  Bottom Layer w6: v1(6042.06,5724.92) 6061.8,5744.66 6425.72,5744.66 6433.41,5752.35 6686.53,5752.35 6694.22,5744.66 U5.92@6805.08,5744.66
PH7: M10.2 U5.93 | length 871.3
  Top Layer w6: M10.2@5965.03,5796.78 6019.43,5796.78 6021.99,5794.22 6021.99,5764.56 v1(6021.78,5764.35)
  Bottom Layer w6: v1(6021.78,5764.35) U5.93@6805.08,5764.35
PHONES_L: C19.2 J3UI.A15 P0.1 R17.1 | length 4285.2
  Top Layer w10: v1(2073.83,6446.37) 2076.04,6446.37 2086.69,6457.01 2445.2,6457.01 2462.6,6474.41 v1(2631.89,6474.41)
  Bottom Layer w10: J3UI.A15@2073.03,6509.84 2073.73,6509.14 2073.59,6508.99 2073.83,6508.75 v1(2073.83,6446.37) ; R17.1@2626.97,3246.5 2842.95,3246.5 2860.24,3263.78 2860.24,6355.03 2825.6,6389.67 2738.99,6389.67 2733.13,6395.53 P0.1@2733.13,6429.01 2733.13,6467.4 2726.12,6474.41 v1(2631.89,6474.41)
PHONES_R: C20.2 J3UI.A13 R18.2 | length 4757.7
  Top Layer w10: v1(1973.92,6446.95) 1973.92,6404.01 1979.77,6398.16 2349.93,6398.16 2388.77,6359.32 2405.54,6359.32 ccw(c2410.04,6401.57) 2414.54,6359.32 2431.3,6359.32 2452.99,6381.01 v1(2568.97,6381.01)
  Bottom Layer w10: J3UI.A13@1973.03,6509.84 1973.92,6508.96 v1(1973.92,6446.95) ; R18.2@2104.33,3243.54 2106.17,3245.38 C20.2@2246.06,3245.38 2322.31,3245.38 2463.73,3386.81 2812.01,3386.81 2844.24,3419.04 2844.24,3595.72 2844.24,6345.28 2815.84,6373.67 2621.04,6373.67 2613.71,6381.01 v1(2568.97,6381.01)
PI8: M5.2 U5.9 | length 736.9
  Top Layer w6: v1(8169.58,4781.84) 8169.58,4617.35 M5.2@8170.21,4616.71
  Bottom Layer w6: U5.9@7730.28,4898.21 7730.28,4930.83 7742.95,4943.5 7904.12,4943.5 8008.69,4838.93 8159.28,4838.93 8169.58,4828.64 v1(8169.58,4781.84)
PI11: M36.2 U5.15 | length 833.7
  Top Layer w6: M36.2@8141.61,4937.29 8170.7,4937.29 8183.2,4924.79 v1(8183.2,4909.79)
  Bottom Layer w6: U5.15@7612.17,4898.21 7611.52,4898.86 7611.52,4968.43 7603.86,4976.08 7603.86,4997.64 7624.19,5017.97 7670.79,5017.97 7721.26,4967.5 7914.89,4967.5 8016.61,4865.77 8139.18,4865.77 v1(8183.2,4909.79)
PI15: M7.2 U5.66 | length 126.5
  Top Layer w6: v1(6729.65,5226.78) 6731.58,5224.85 M7.2@6731.58,5179.66
  Bottom Layer w6: v1(6729.65,5226.78) 6734.62,5226.78 6735.36,5226.04 6742.16,5232.85 U5.66@6805.08,5232.85